# KiCad board PCMTestBoard.kicad_pcb (continued)
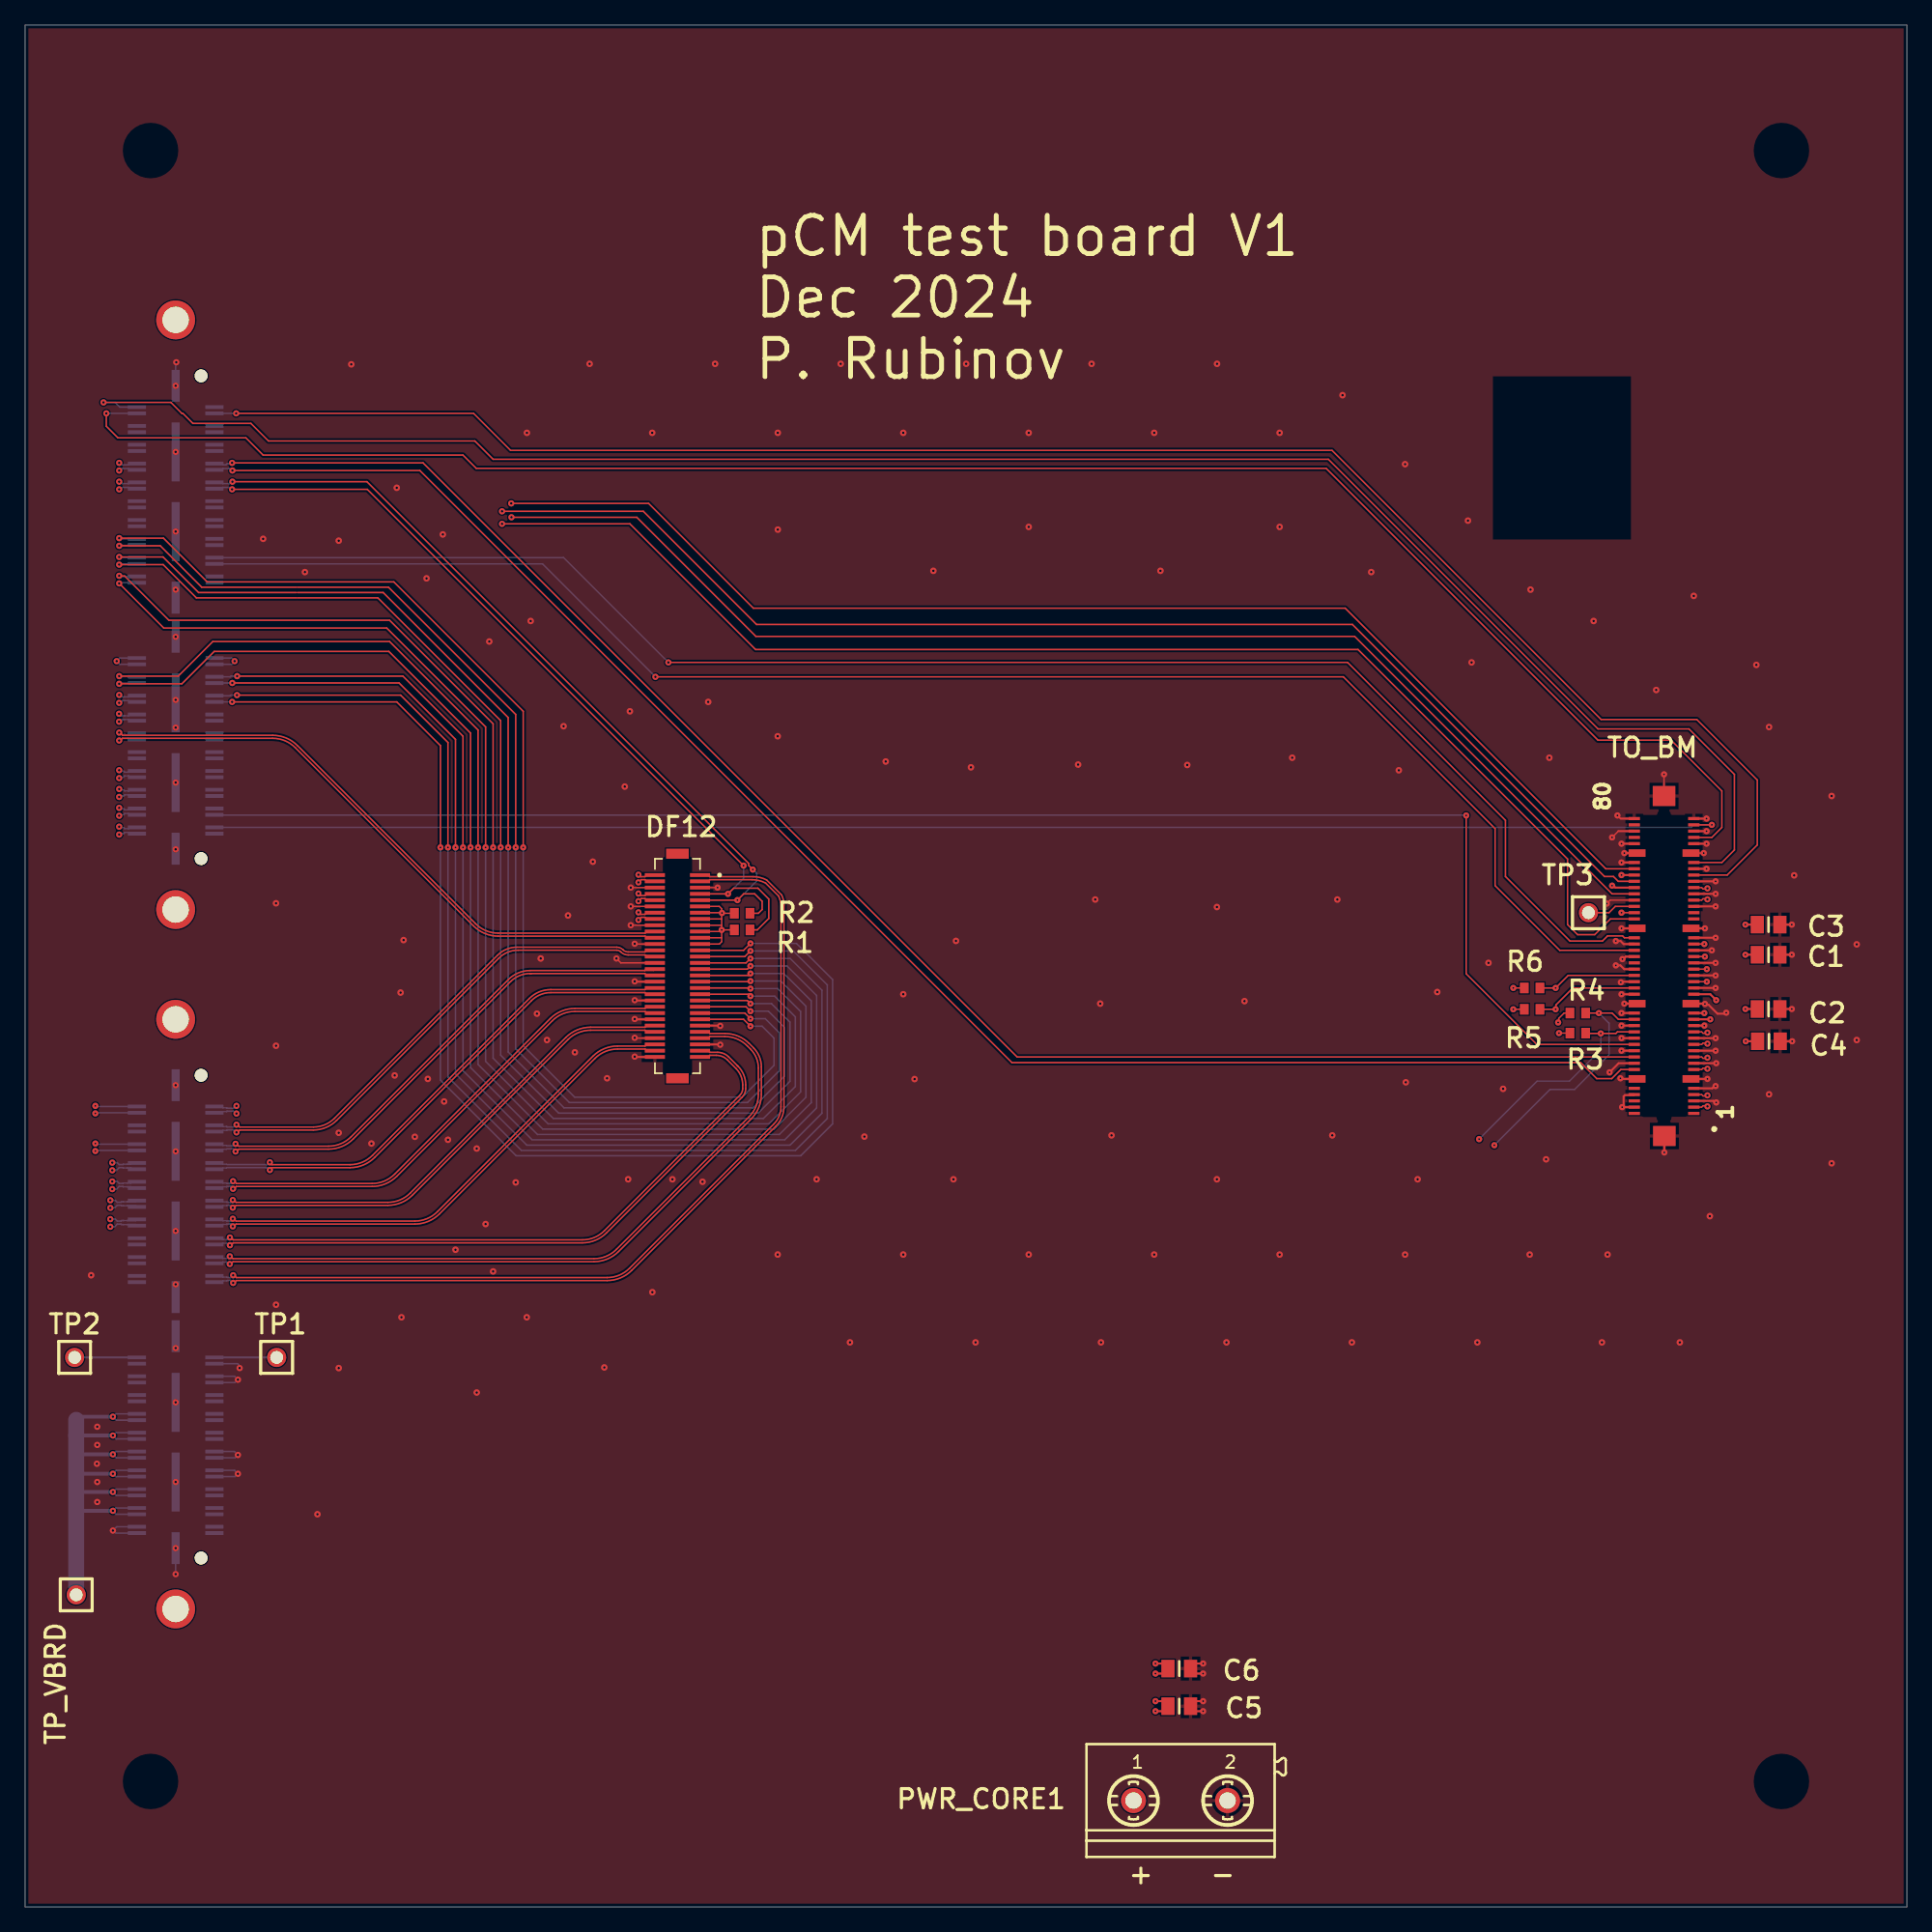
[diagram p0: board, top side]
## Routing (per net, layer and track width the routed paths; a pad name or vN(x,y) marks a point on that pad's centre or on a via; arc(x,y) is an arc through that point)
3V3D_1: length 3.4
  Bottom Layer w0.12: J_EXTEND.40 7.55,99.55 v1(7.3,99.3) 7.55,99.05 J_EXTEND.38
GND: length 122.4
  Top Layer1 w0.11: v1(48.28,78.25) DF12.18 ; v2(127.25,79.25) TO_BM.54 ; v1(48.28,79.75) DF12.12 ; v1(48.59,76.78) 48.62,76.75 DF12.24 ; v2(127.33,75.55) 127.38,75.55 ; TO_BM.GND2 v2(130.64,90.28) ; TO_BM.81 v2(133.81,84) ; v2(126.92,87) 127.17,86.75 ; 48.62,69.25 DF12.54 ; DF12.5 v2(55.2,81.25) ; v2(127.2,73.7) 127.25,73.75 ; v2(126.08,79.98) 126.35,80.25 TO_BM.58 ; v2(126.5,85.25) 127,85.75 ; v1(48.28,81.25) DF12.6
  Top Layer1 w0.12: DF12.30 47.49,75.25 v1(47.14,75.6)
  Top Layer1 w0.16: TO_BM.5 134.58,64.25 134.71,64.12 v2(134.8,64.12) ; TO_BM.17 v2(134.75,68.25) ; DF12.49 55.38,70.25 ; v2(93.9,16.4) 93.2,16.4 92.97,16.17 arc(92.92,16.09) C5.1 93.3,15.6 v2(93.9,15.6) ; TO_BM.48 127.42,76.75 127.18,76.99 v2(126.8,76.99) ; TO_BM.41 v2(134.75,75.25) ; TO_BM.75 v2(134.03,85.75) ; v2(126.8,75.05) 127.16,75.05 127.46,74.75 TO_BM.40 ; v2(126.3,66.53) 127.03,67.25 TO_BM.14 ; TO_BM.84 v2(134.1,66) ; TO_BM.62 126.76,81.25 126.61,81.4 v2(126.5,81.4) ; 127.17,86.75 TO_BM.80 ; 127.38,75.55 127.58,75.75 TO_BM.44 ; TO_BM.82 v2(133.9,78) ; TO_BM.79 v2(134.03,86.75) ; TO_BM.63 v2(134.75,81.75) ; 127,85.75 TO_BM.76 ; v2(93.9,18.6) 93.3,18.6 C6.1 arc(92.92,19.09) 92.97,19.17 93.2,19.4 v2(93.9,19.4) ; 135.6,71.3 135.5,71.2 134.9,71.2 134.19,71.91 133.97,71.91 v2(133.9,71.98) 133.88,72 TO_BM.83 ; TO_BM.4 v2(127.3,63.75) 127.42,63.87 127.42,64.61 127.51,64.71 128.22,64.71 TO_BM.8 ; v2(127.48,84) TO_BM.88 ; v2(127.25,71.25) TO_BM.30 ; TO_BM.37 v2(134.75,74.25) ; v2(127.25,72.75) TO_BM.32 ; v2(127.25,82.25) TO_BM.66 ; v2(127.25,83.25) TO_BM.70 ; C1.2 v2(140.82,75.9) ; TO_BM.59 v2(134.75,80.75) ; TO_BM.33 v2(134.75,73.25) ; TO_BM.85 127.21,66 v2(127.16,66.05) ; TO_BM.9 134.49,65.25 134.67,65.43 v2(134.75,65.43) ; v2(127.48,72) TO_BM.86 ; TO_BM.21 v2(134.75,69.25) ; 48.62,67.75 DF12.60 ; v2(127.25,68.25) TO_BM.18 ; C3.1 v2(140.82,78.3) ; TO_BM.13 v2(134.8,67.25) ; 127.25,73.75 TO_BM.36 ; v2(127.25,84.75) TO_BM.72 ; TO_BM.49 v2(134.75,77.25) ; TO_BM.25 v2(133.85,70.25) ; C4.1 v2(140.85,69) ; v2(127.25,70.25) TO_BM.26 ; TO_BM.45 v2(134.45,76.25) ; 48.62,72.25 DF12.42 ; v2(130.67,60.14) TO_BM.GND1 ; v2(127.25,78) TO_BM.87 ; 48.62,70.75 DF12.48 ; TO_BM.71 v2(134.03,84.75) ; C2.2 v2(140.82,71.57) ; TO_BM.55 v2(134.75,79.75) ; DF12.55 55.38,68.75 ; TO_BM.67 v2(134.03,82.75) ; v2(127.25,69.25) TO_BM.22 ; 48.62,73.75 DF12.36
  Bottom Layer w0.12: v1(12.05,123.12) 12,123.07 v1(12,121.25) ; 15.23,43.3 16.94,43.3 17.03,43.21 17.03,43.02 v1(17.1,42.95) ; J_COMPAT.19 16.69,36.3 v1(16.97,36.02) 16.95,36.02 16.73,35.8 15.11,35.8 ; J_COMPAT.35 16.69,42.3 v1(16.97,42.02) 16.95,42.02 16.73,41.8 15.11,41.8 ; v1(12,26.52) v1(12,28.6) ; 12,34.77 12.02,34.75 ; 15.07,34.8 16.69,34.8 v1(16.97,34.52) 16.95,34.52 16.73,34.3 J_COMPAT.13 ; 8.89,30.3 7.3,30.3 v1(7,30) 7.04,30 7.24,29.8 J_COMPAT.2 ; 11.95,84.05 12,84.1
  vias: v1(5.73,35.33) v1(5.75,38.28) v1(5.75,36.83) v1(5.75,33.87) v1(5.75,32.28) v1(12,115.98) v1(12,109.63) v1(12,105) v1(12,101.24) v1(12,96.21) v1(12,94) v1(12,89.62) v1(12,84.3) v1(12,65.5) v1(12,60.23) v1(12,53.88) v1(12,49.62) v1(12,44.55) v1(12,40.22) v1(12,33.87) v1(48.59,73.78) v1(48.59,72.28) v1(48.59,70.78) v1(48.59,69.28) v1(48.59,67.78) v1(55.41,70.23) v1(55.41,68.73) v2(135.6,71.28) v3(5.27,50.35) v3(18.98,109.05) v3(20,80) v3(20,68.64) v3(20,48) v3(22.31,106.4) v3(23.3,31.3) v3(25,108.9) v3(25,61.71) v3(25,42.95) v3(26,122.96) v3(27.61,60.85) v3(29.46,66.27) v3(29.63,113.12) v3(29.93,72.88) v3(30,47) v3(30.17,77.07) v3(31.07,61.38) v3(32,105.9) v3(32.1,66) v3(33.3,109.4) v3(33.4,64.2) v3(33.71,61.15) v3(34.31,52.38) v3(36,60.45) v3(36,41) v3(36.71,54.43) v3(37,100.86) v3(37.31,50.65) v3(39.11,57.75) v3(40,117.5) v3(39.99,47) v3(40.3,102.5) v3(40.8,71.2) v3(41.1,75.6) v3(41.6,69.1) v3(42.93,94.11) v3(43.28,79.03) v3(43.82,68.12) v3(45,123) v3(45.26,83.31) v3(46.17,43) v3(46.39,66.05) v3(47.8,89.3) v3(48.07,58) v3(48.21,95.3) v3(49.99,117.5) v3(50,49) v3(51.6,58) v3(54,57.8) v3(54.45,96.05) v3(55,123) v3(60,117.5) v3(60,109.78) v3(59.99,93.31) v3(59.99,52) v3(63.09,58) v3(65.01,123) v3(65.75,45) v3(66.9,61.4) v3(68.6,91.3) v3(70,117.5) v3(70,72.75) v3(70,52) v3(70.9,65.99) v3(72.4,106.5) v3(74,58) v3(74.2,77) v3(75.01,123) v3(75.39,90.84) v3(75.76,45) v3(80,117.5) v3(80,110) v3(80,52) v3(83.94,91.05) v3(85.01,123) v3(85.3,80.3) v3(85.7,72) v3(85.76,45) v3(86.6,61.5) v3(90,117.5) v3(90,52) v3(90.5,106.5) v3(92.64,91.02) v3(95.01,123) v3(95,79.7) v3(95,58) v3(95.76,45) v3(97.2,72.2) v3(100,117.5) v3(100,110) v3(100,52) v3(101,91.6) v3(104.2,61.5) v3(104.6,80.3) v3(105.01,120.5) v3(105.76,45) v3(107.3,106.4) v3(109.5,90.6) v3(110,115) v3(110,52) v3(110.06,65.73) v3(111,58) v3(112.56,72.93) v3(115.01,110.5) v3(115.3,99.2) v3(115.76,45) v3(116.65,75.25) v3(117.81,65.21) v3(119.93,52) v3(120,105) v3(121.24,59.59) v3(121.5,91.6) v3(125.03,102.5) v3(125.69,45) v3(126.14,52) v3(130.01,97) v3(131.9,45) v3(133.01,104.5) v3(134.29,55.06) v3(138,99) v3(139.01,94.05) v3(139.01,64.77) v3(141.01,82.23) v3(144,88.55) v3(144,59.27) v3(146,76.73) v3(146,69.1)
VDD: length 33.6
  Top Layer1 w0.11: R1.1 55.53,77.88 v2(55.53,77.88) ; R4.2 122.67,71.25 122.25,70.82 122.25,70.55 v2(122.2,70.5) ; DF12.21 55.53,77.25 ; 55.53,77.25 55.53,77.75 ; 55.53,77.25 55.53,76.94 55.34,76.75 DF12.23 ; 55.53,79.25 55.57,79.2 R2.1 ; 55.53,79.25 55.53,78.74 ; 55.53,79.25 55.53,79.56 55.34,79.75 DF12.11 ; 55.53,79.25 DF12.13 ; DF12.15 55.51,78.75 55.53,78.74 ; v2(55.53,77.88) 55.53,78.25 ; v2(55.53,77.88) 55.53,77.75 ; 55.53,78.74 55.53,78.25 ; DF12.17 55.53,78.25 ; 55.53,77.75 DF12.19 ; v2(118.63,71.55) R5.2 ; v2(118.63,73.25) R6.2 ; v2(122.27,69.65) R3.2
  Top Layer1 w0.16: v2(137.12,75.9) C1.1 ; v2(90.1,15.6) 90.8,15.6 91.03,15.83 arc(91.08,15.91) C5.2 90.7,16.4 v2(90.1,16.4) ; TO_BM.31 134.32,72.75 v2(134.8,72.28) ; TO_BM.29 v2(133.85,71.25) ; TO_BM.27 v2(134.32,70.75) ; v2(137.15,69) C4.2 ; v2(137.12,78.3) C3.2 ; v2(137.12,71.57) C2.1 ; v2(90.1,19.4) 90.7,19.4 C6.2 arc(91.08,18.91) 91.03,18.83 90.8,18.6 v2(90.1,18.6)
  vias: v2(55.55,79.23)
BM28_HGCROC_RE_HB_1: length 140.6
  Top Layer1 w0.12: TO_BM.52 126.37,78.75 125.12,77.5 123.75,77.5 122.95,78.3 122.95,83.53 106.25,100.23 58.23,100.23 48.21,110.24 v1(38.02,110.24)
  Layer3_sig w0.12: v1(38.02,110.24) 11.86,110.24 9.11,113 v1(7.5,113)
  Bottom Layer w0.12: v1(7.5,113) 7.6,113 7.75,113.15 8.24,113.15 8.33,113.05 J_EXTEND.62
BM28_I2C_SCL_1: length 133.7
  Top Layer1 w0.12: TO_BM.12 127.2,66.75 126.48,66.03 125.28,66.03 124,67.3 78.66,67.3 31.47,114.5 v1(16.53,114.5)
  Bottom Layer w0.12: v1(16.53,114.5) 16.42,114.5 16.31,114.61 16.31,114.61 16.29,114.62 16.28,114.62 16.25,114.65 15.76,114.65 15.66,114.55 J_EXTEND.65
BM28_I2C_SDA_1: length 132.9
  Top Layer1 w0.12: TO_BM.16 79.08,67.75 31.72,115.1 v1(16.5,115.1)
  Bottom Layer w0.12: v1(16.5,115.1) 16.43,115.04 16.1,115.04 16.01,114.95 15.76,114.95 15.66,115.05 J_EXTEND.67
BM28_PG_LDO_1: length 135.9
  Top Layer1 w0.12: TO_BM.60 126.5,80.75 105.98,101.28 58.25,101.28 48.76,110.77 v1(38.77,110.77)
  Layer3_sig w0.12: v1(7.5,113.6) 9.36,113.6 12.2,110.77 v1(38.77,110.77)
  Bottom Layer w0.12: v1(7.5,113.6) 7.59,113.6 7.75,113.45 8.23,113.45 8.33,113.55 J_EXTEND.64
BM28_PROBE_DC_1: length 146.3
  Top Layer1 w0.12: v1(16.82,119.05) 35.75,119.05 38.7,116.1 104.17,116.1 125.63,94.65 133.25,94.65 138.07,89.83 138.07,84.65 135.68,82.25 TO_BM.65
  Bottom Layer w0.12: J_EXTEND.77 v1(16.82,119.05)
BM28_PWR_EN_LDO_1: length 135.8
  Top Layer1 w0.12: TO_BM.64 126.99,81.75 126.61,82.13 125.89,82.13 105.8,102.23 58.3,102.23 49.28,111.24 v1(38.02,111.24)
  Layer3_sig w0.12: v1(38.02,111.24) 12.59,111.24 9.34,114.5 v1(7.5,114.5)
  Bottom Layer w0.12: J_EXTEND.66 8.33,114.55 8.24,114.65 7.75,114.65 7.6,114.5 v1(7.5,114.5)
BM28_RTD_1: length 154.8
  Top Layer1 w0.12: v1(6.25,119.92) 11.62,119.92 12.5,119.05 12.58,119.05 13.38,118.25 18,118.25 19.4,116.85 35.85,116.85 37.31,115.39 103.88,115.39 125.38,93.9 132.62,93.9 136.25,90.28 136.25,84.25 135.25,83.25 TO_BM.69
  Bottom Layer w0.12: J_EXTEND.80 7.55,119.55 7.18,119.93 v1(6.25,119.93)
BM28_RTD_REF_1: length 149.7
  Top Layer1 w0.12: TO_BM.73 134.45,85.25 135.25,86.05 135.25,88.95 131.2,93 125.38,93 103.71,114.67 35.96,114.67 34.9,115.73 18.98,115.73 17.6,117.1 7.4,117.1 6.48,118.03 v1(6.48,119.05)
  Bottom Layer w0.12: v1(6.48,119.05) J_EXTEND.78
BM28_S1_HGCROC_RE_SB_1: length 128.6
  Top Layer1 w0.12: TO_BM.46 122.33,76.25 117.17,81.4 117.17,85.95 105.08,98.05 v1(50.24,98.05)
  Bottom Layer w0.12: v1(50.24,98.05) 41.24,107.05 J_EXTEND.45
BM28_S2_HGCROC_RE_SB_1: length 128.7
  Top Layer1 w0.12: TO_BM.50 127.48,77.25 127.33,77.4 126.14,77.4 125.73,76.99 123.14,76.99 118,82.13 118,86.61 105.41,99.2 v1(51.28,99.2)
  Bottom Layer w0.12: v1(51.28,99.2) 42.93,107.55 J_EXTEND.47
BM28_VMON_LVS_1: length 135.7
  Top Layer1 w0.12: v1(38.75,111.88) 49.7,111.88 58.05,103.53 105.23,103.53 126,82.75 TO_BM.68
  Layer3_sig w0.12: v1(7.5,115.1) 9.51,115.1 12.74,111.88 v1(38.75,111.88)
  Bottom Layer w0.12: J_EXTEND.68 8.33,115.05 8.24,114.95 7.75,114.95 7.59,115.1 v1(7.5,115.1)
CLK320_IN_1_N: length 132.8
  Top Layer1 w0.11: TO_BM.39 v2(134.05,74.75)
  Layer3_sig w0.12: v2(134.05,74.75) 133.75,74.45 121.95,74.45 arc(120.98,74.64) 120.16,75.19 110.24,85.11 arc(109.31,85.73) 108.22,85.95 7.87,85.95 arc(7.77,85.97) 7.68,86.03 arc(7.59,86.09) v1(7.5,86.1)
  Bottom Layer w0.12: 7.94,85.96 7.87,86.03 7.68,86.03 arc(7.58,86.05) v1(7.5,86.1)
CLK320_IN_1_P: length 132.8
  Top Layer1 w0.11: TO_BM.35 v2(134.05,73.75)
  Layer3_sig w0.12: v2(134.05,73.75) 133.67,74.13 121.95,74.13 arc(120.86,74.35) 119.93,74.97 110.01,84.89 arc(109.19,85.44) 108.22,85.63 7.87,85.63 arc(7.77,85.61) 7.68,85.55 arc(7.6,85.49) v1(7.5,85.48)
  Bottom Layer w0.12: 7.94,85.64 7.85,85.55 7.68,85.55 arc(7.58,85.53) v1(7.5,85.48)
DF12_HGCROC_RE_HB_1: length 99.3
  Top Layer1 w0.12: DF12.31 57.57,74.75 v2(57.82,75) ; v1(16.9,98.1) 30.12,98.1 34.91,93.31 v2(34.91,84.45)
  Bottom Layer w0.12: J_EXTEND.35 16.36,98.05 16.41,98.1 v1(16.9,98.1) ; v2(34.91,84.45) 34.91,66.66 40.41,61.15 60.55,61.15 63.09,63.69 63.09,72.64 60.74,75 v2(57.82,75)
DF12_I2C_SCL_1: length 66.9
  Top Layer1 w0.12: R1.2 58.37,77.88 59.28,78.79 59.28,80.34 58.41,81.21 56.49,81.21 v2(56.03,80.75) DF12.7 ; v2(57.27,83) 27.28,113 v1(16.5,113)
  Bottom Layer w0.12: v2(56.03,80.75) 57.27,81.99 v2(57.27,83) ; v1(16.5,113) 16.5,113 16.39,113.12 16.28,113.12 16.25,113.15 15.76,113.15 15.66,113.05 J_EXTEND.61
DF12_I2C_SDA_1: length 66.3
  Top Layer1 w0.12: v2(58.01,82.69) 57.68,83.02 57.68,83.17 27.24,113.6 v1(16.53,113.6) ; R2.2 58.45,79.2 58.75,79.5 58.75,80.16 58.15,80.75 57.28,80.75 v2(56.78,80.25) DF12.9
  Bottom Layer w0.12: v1(16.53,113.6) 16.42,113.6 16.29,113.47 16.27,113.47 16.25,113.45 15.76,113.45 15.66,113.55 J_EXTEND.63 ; v2(56.78,80.25) 58.32,81.79 58.32,82.38 v2(58.01,82.69)
DF12_PG_LDO_1: length 108.2
  Top Layer1 w0.12: DF12.33 57.67,74.25 v2(57.82,74.4) ; v1(7.5,97.5) 12.5,97.5 15.08,100.08 28.99,100.08 35.51,93.56 v2(35.51,84.45)
  Bottom Layer w0.12: J_EXTEND.34 7.55,97.55 v1(7.5,97.5) ; v2(35.51,84.45) 35.51,66.9 40.84,61.57 60.13,61.57 62.67,64.11 62.67,72.22 60.49,74.4 v2(57.82,74.4)
DF12_PWR_EN_LDO_1: length 105.5
  Top Layer1 w0.12: v2(57.82,73.2) 57.77,73.25 DF12.37 ; v2(36.71,84.45) 36.71,94.06 28.83,101.94 11.06,101.94 v1(7.5,105.5)
  Bottom Layer w0.12: J_EXTEND.42 7.55,105.55 v1(7.5,105.5) ; v2(57.82,73.2) 59.99,73.2 61.82,71.37 61.82,64.96 59.28,62.42 41.69,62.42 36.71,67.4 v2(36.71,84.45)
DF12_RTD_1: length 99
  Top Layer1 w0.12: 21.61,105.19 14.08,105.19 10.78,108.5 v1(7.5,108.5) ; v2(57.82,70.8) 57.37,71.25 DF12.45 ; 21.7,105.19 28.97,105.19 39.11,95.05 v2(39.11,84.45)
  Bottom Layer w0.12: v2(39.11,84.45) 39.11,68.39 43.38,64.12 57.58,64.12 60.12,66.66 60.12,69.67 59,70.8 v2(57.82,70.8) ; v1(7.5,108.5) 7.55,108.55 J_EXTEND.50
DF12_RTD_REF_1: length 97.4
  Top Layer1 w0.12: v2(57.82,70.2) 57.27,70.75 DF12.47 ; v2(39.71,84.45) 39.71,95.3 29.39,105.62 14.52,105.62 11.03,109.1 v1(7.5,109.1)
  Bottom Layer w0.12: v1(7.5,109.1) 7.55,109.05 J_EXTEND.52 ; v2(57.82,70.2) 58.75,70.2 59.7,69.25 59.7,67.08 57.16,64.54 43.81,64.54 39.71,68.64 v2(39.71,84.45)
DF12_S1_HGCROC_RE_SB_1: length 103.8
  Top Layer1 w0.12: v2(37.31,84.45) 37.31,94.31 29.05,102.56 11.46,102.56 7.93,106.09 7.51,106.09 v1(7.5,106.1) ; DF12.39 57.67,72.75 v2(57.82,72.6)
  Bottom Layer w0.12: v2(37.31,84.45) 37.31,67.65 42.11,62.85 58.85,62.85 61.4,65.39 61.4,70.95 59.74,72.6 v2(57.82,72.6) ; v1(7.5,106.1) 7.55,106.05 J_EXTEND.44
DF12_S1_PROBE_DC_1: length 102.2
  Top Layer1 w0.12: v2(57.82,72) 57.57,72.25 DF12.41 ; 21.7,104.34 28.12,104.34 37.91,94.56 v2(37.91,84.45) ; 21.61,104.34 13.66,104.34 11,107 v1(7.5,107)
  Bottom Layer w0.12: v1(7.5,107) 7.55,107.05 J_EXTEND.46 ; v2(57.82,72) 59.49,72 60.97,70.52 60.97,65.81 58.43,63.27 42.53,63.27 37.91,67.9 v2(37.91,84.45)
DF12_S2_HGCROC_RE_SB_1: length 101.1
  Top Layer1 w0.12: DF12.29 57.47,75.25 v2(57.82,75.6) ; v1(16.51,97.56) 29.81,97.56 34.31,93.07 v2(34.31,84.45)
  Bottom Layer w0.12: v1(16.51,97.56) 15.1,97.56 J_EXTEND.33 ; v2(57.82,75.6) 60.99,75.6 63.52,73.07 63.52,63.27 60.98,60.72 39.99,60.72 34.31,66.41 v2(34.31,84.45)
DF12_S2_PROBE_DC_1: length 102.7
  Top Layer1 w0.12: v2(33.71,84.45) 33.71,92.82 29.93,96.59 v1(16.89,96.59) ; v2(57.82,76.2) 57.37,75.75 DF12.27
  Bottom Layer w0.12: v2(57.82,76.2) 61.23,76.2 63.94,73.49 63.94,62.84 61.4,60.3 39.56,60.3 33.71,66.16 v2(33.71,84.45) ; v1(16.89,96.59) 16.4,96.59 16.34,96.54 15.08,96.54 ; J_EXTEND.31 15.1,96.54
DF12_VMON_LVS_1: length 106.6
  Top Layer1 w0.12: v2(36.11,84.45) 36.11,93.81 29.05,100.86 14.96,100.86 12.2,98.1 v1(7.5,98.1) ; DF12.35 57.77,73.75 v2(57.82,73.8)
  Bottom Layer w0.12: v1(7.5,98.1) 7.55,98.05 J_EXTEND.36 ; v2(57.82,73.8) 60.24,73.8 62.24,71.8 62.24,64.54 59.7,62 41.26,62 36.11,67.15 v2(36.11,84.45)
ECON_D_DAQ_OUT_1_N: length 133.5
  Top Layer1 w0.11: TO_BM.7 133.64,64.75 133.75,64.64 134.05,64.64 v1(134.1,64.69)
  Layer3_sig w0.11: 133.9,64.34 133.97,64.41 arc(134.01,64.47) 134.03,64.54 arc(134.04,64.61) 134.08,64.67 v1(134.1,64.69) ; 133.99,64.4 arc(133.97,64.37) 133.95,64.34
  Layer3_sig w0.12: 133.95,64.34 130.04,64.34 arc(129.2,64.18) 128.49,63.71 122.26,57.48 arc(121.44,56.93) 120.47,56.73 20.9,56.73 arc(19.92,56.93) 19.1,57.48 18.24,58.34 arc(17.84,58.61) 17.37,58.7 8.74,58.7 arc(8.48,58.75) 8.26,58.9 8.21,58.95 arc(7.96,59.12) 7.66,59.18 7.2,59.18 7.05,59.32 v1(6.95,59.32)
  Layer8_sig w0.12: v1(6.95,59.33) 7.05,59.33
  Bottom Layer w0.12: 6.98,59.35 v1(6.95,59.33) 7.35,59.33 7.5,59.17 7.8,59.17 NT_21_N.2
ECON_D_DAQ_OUT_1_P: length 133.3
  Top Layer1 w0.11: TO_BM.3 133.64,63.75 133.75,63.86 134.05,63.86 v1(134.1,63.81)
  Layer3_sig w0.11: 133.9,64.03 134.09,63.83 arc(134.1,63.82) v1(134.1,63.81)
  Layer3_sig w0.12: 133.9,64.03 130.04,64.03 arc(129.32,63.88) 128.72,63.48 122.49,57.25 arc(121.56,56.63) 120.47,56.41 20.9,56.41 arc(19.8,56.63) 18.87,57.25 18.01,58.12 arc(17.72,58.31) 17.37,58.38 8.74,58.38 arc(8.36,58.46) 8.04,58.67 arc(7.83,58.81) 7.59,58.86 7.2,58.86 7.05,58.72 v1(6.95,58.72)
  Layer8_sig w0.12: v1(6.95,58.72) 7.05,58.72
  Bottom Layer w0.12: v1(6.95,58.72) 6.95,58.72 7.29,58.72 7.5,58.93 7.8,58.93 NT_21_P.2
ECON_D_ERROR_B_1: length 128.1
  Top Layer1 w0.12: TO_BM.20 120.5,68.75 114.87,74.38 v2(114.87,87)
  Bottom Layer w0.12: v2(114.87,87) 114.84,87.02 15.11,87.02 J_EXTEND.5
ECON_D_RESET_B_1: length 133.9
  Top Layer1 w0.12: TO_BM.24 126.92,69.75 126.8,69.62 v2(125.6,69.62) 124.39,69.62
  Layer3_sig w0.11: v2(5.6,60.85) 8.43,60.85 9.29,61.71 14.44,61.71 16.41,59.74 18.61,59.74 19.08,60.21 20.28,60.21 20.98,59.5 114.2,59.5 v2(115.9,61.2)
  Bottom Layer w0.11: v2(115.9,61.2) 120.53,65.83 123.1,65.83 125.6,68.32 v2(125.6,69.62)
  Bottom Layer w0.12: J_COMPAT.72 5.65,60.8 v2(5.6,60.85)
ECON_D_SOFT_RESET_B_1: length 131.9
  Top Layer1 w0.12: TO_BM.34 123.38,73.25 122.02,71.9 122.02,71.57 v2(122,71.55) R5.1
  Layer3_sig w0.12: v2(5.6,63.25) 13.81,63.25 15.26,64.71 48.94,64.71 49.37,64.28 114.73,64.28 v2(122,71.55)
  Bottom Layer w0.12: v2(5.6,63.25) 5.65,63.3 J_COMPAT.78
ECON_T_RESET_B_1: length 137.1
  Top Layer1 w0.12: R4.1 v2(125.45,71.25) 126.5,71.25 127,70.75 TO_BM.28
  Layer3_sig w0.11: v2(117.11,60.71) 115.33,58.93 20.98,58.93 20,59.91 19.27,59.91 18.86,59.5 15.89,59.5 14.28,61.11 9.29,61.11 8.43,60.25 v2(5.6,60.25)
  Bottom Layer w0.12: J_COMPAT.70 5.65,60.3 v2(5.6,60.25) ; v2(117.11,60.71) 121.56,65.16 123.51,65.16 126.25,67.9 126.25,70.44 v2(125.45,71.25)
ECON_T_SOFT_RESET_B_1: length 131.9
  Top Layer1 w0.12: R6.1 v2(122,73.25) 123,74.25 TO_BM.38
  Layer3_sig w0.12: v2(5.6,63.85) 13.7,63.85 15.06,65.21 49.15,65.21 49.58,64.78 113.55,64.78 122,73.23 v2(122,73.25)
  Bottom Layer w0.12: v2(5.6,63.85) 5.65,63.8 J_COMPAT.80
ECON_T_TRIG_OUT_0_1_N: length 139.5
  Top Layer1 w0.11: TO_BM.15 133.64,67.75 133.75,67.64 134.05,67.64 v1(134.1,67.69)
  Layer8_sig w0.12: v1(134.1,67.69) arc(133.79,67.48) 133.42,67.41 114.87,67.41 arc(113.9,67.6) 113.07,68.15 96.37,84.86 arc(95.44,85.48) 94.34,85.7 44.73,85.7 arc(43.76,85.89) 42.93,86.44 35.26,94.11 arc(34.34,94.73) 33.24,94.95 7.86,94.95 arc(7.76,94.97) 7.67,95.03 arc(7.58,95.09) v1(7.49,95.11)
  Bottom Layer w0.12: 7.74,94.95 7.58,95.1 v1(7.49,95.1) ; 7.59,94.95 NT_12_N.2
ECON_T_TRIG_OUT_0_1_P: length 139.3
  Top Layer1 w0.11: TO_BM.11 133.64,66.75 133.75,66.86 134.05,66.86 v1(134.1,66.81)
  Layer8_sig w0.12: v1(7.49,94.48) arc(7.59,94.49) 7.67,94.55 arc(7.76,94.61) 7.86,94.63 33.24,94.63 arc(34.21,94.44) 35.04,93.89 42.71,86.22 arc(43.64,85.6) 44.73,85.38 94.34,85.38 arc(95.31,85.19) 96.14,84.64 112.85,67.93 arc(113.78,67.31) 114.87,67.09 133.42,67.09 arc(133.79,67.02) v1(134.1,66.81)